# Altium PCB Tiny817_Xplained_Pro.PcbDoc (part 2 of 3)
Units mm, origin at the board's own origin, x right, y up, seen from the top; angles counter-clockwise.
Board outline 60 x 60 mm, 4 copper layers (Top Layer LF-signals, GND, POWER, Bottom Layer LF-signals), stack 1.604 mm thick; 172 components, 131 nets, 687 pads, 210 vias.
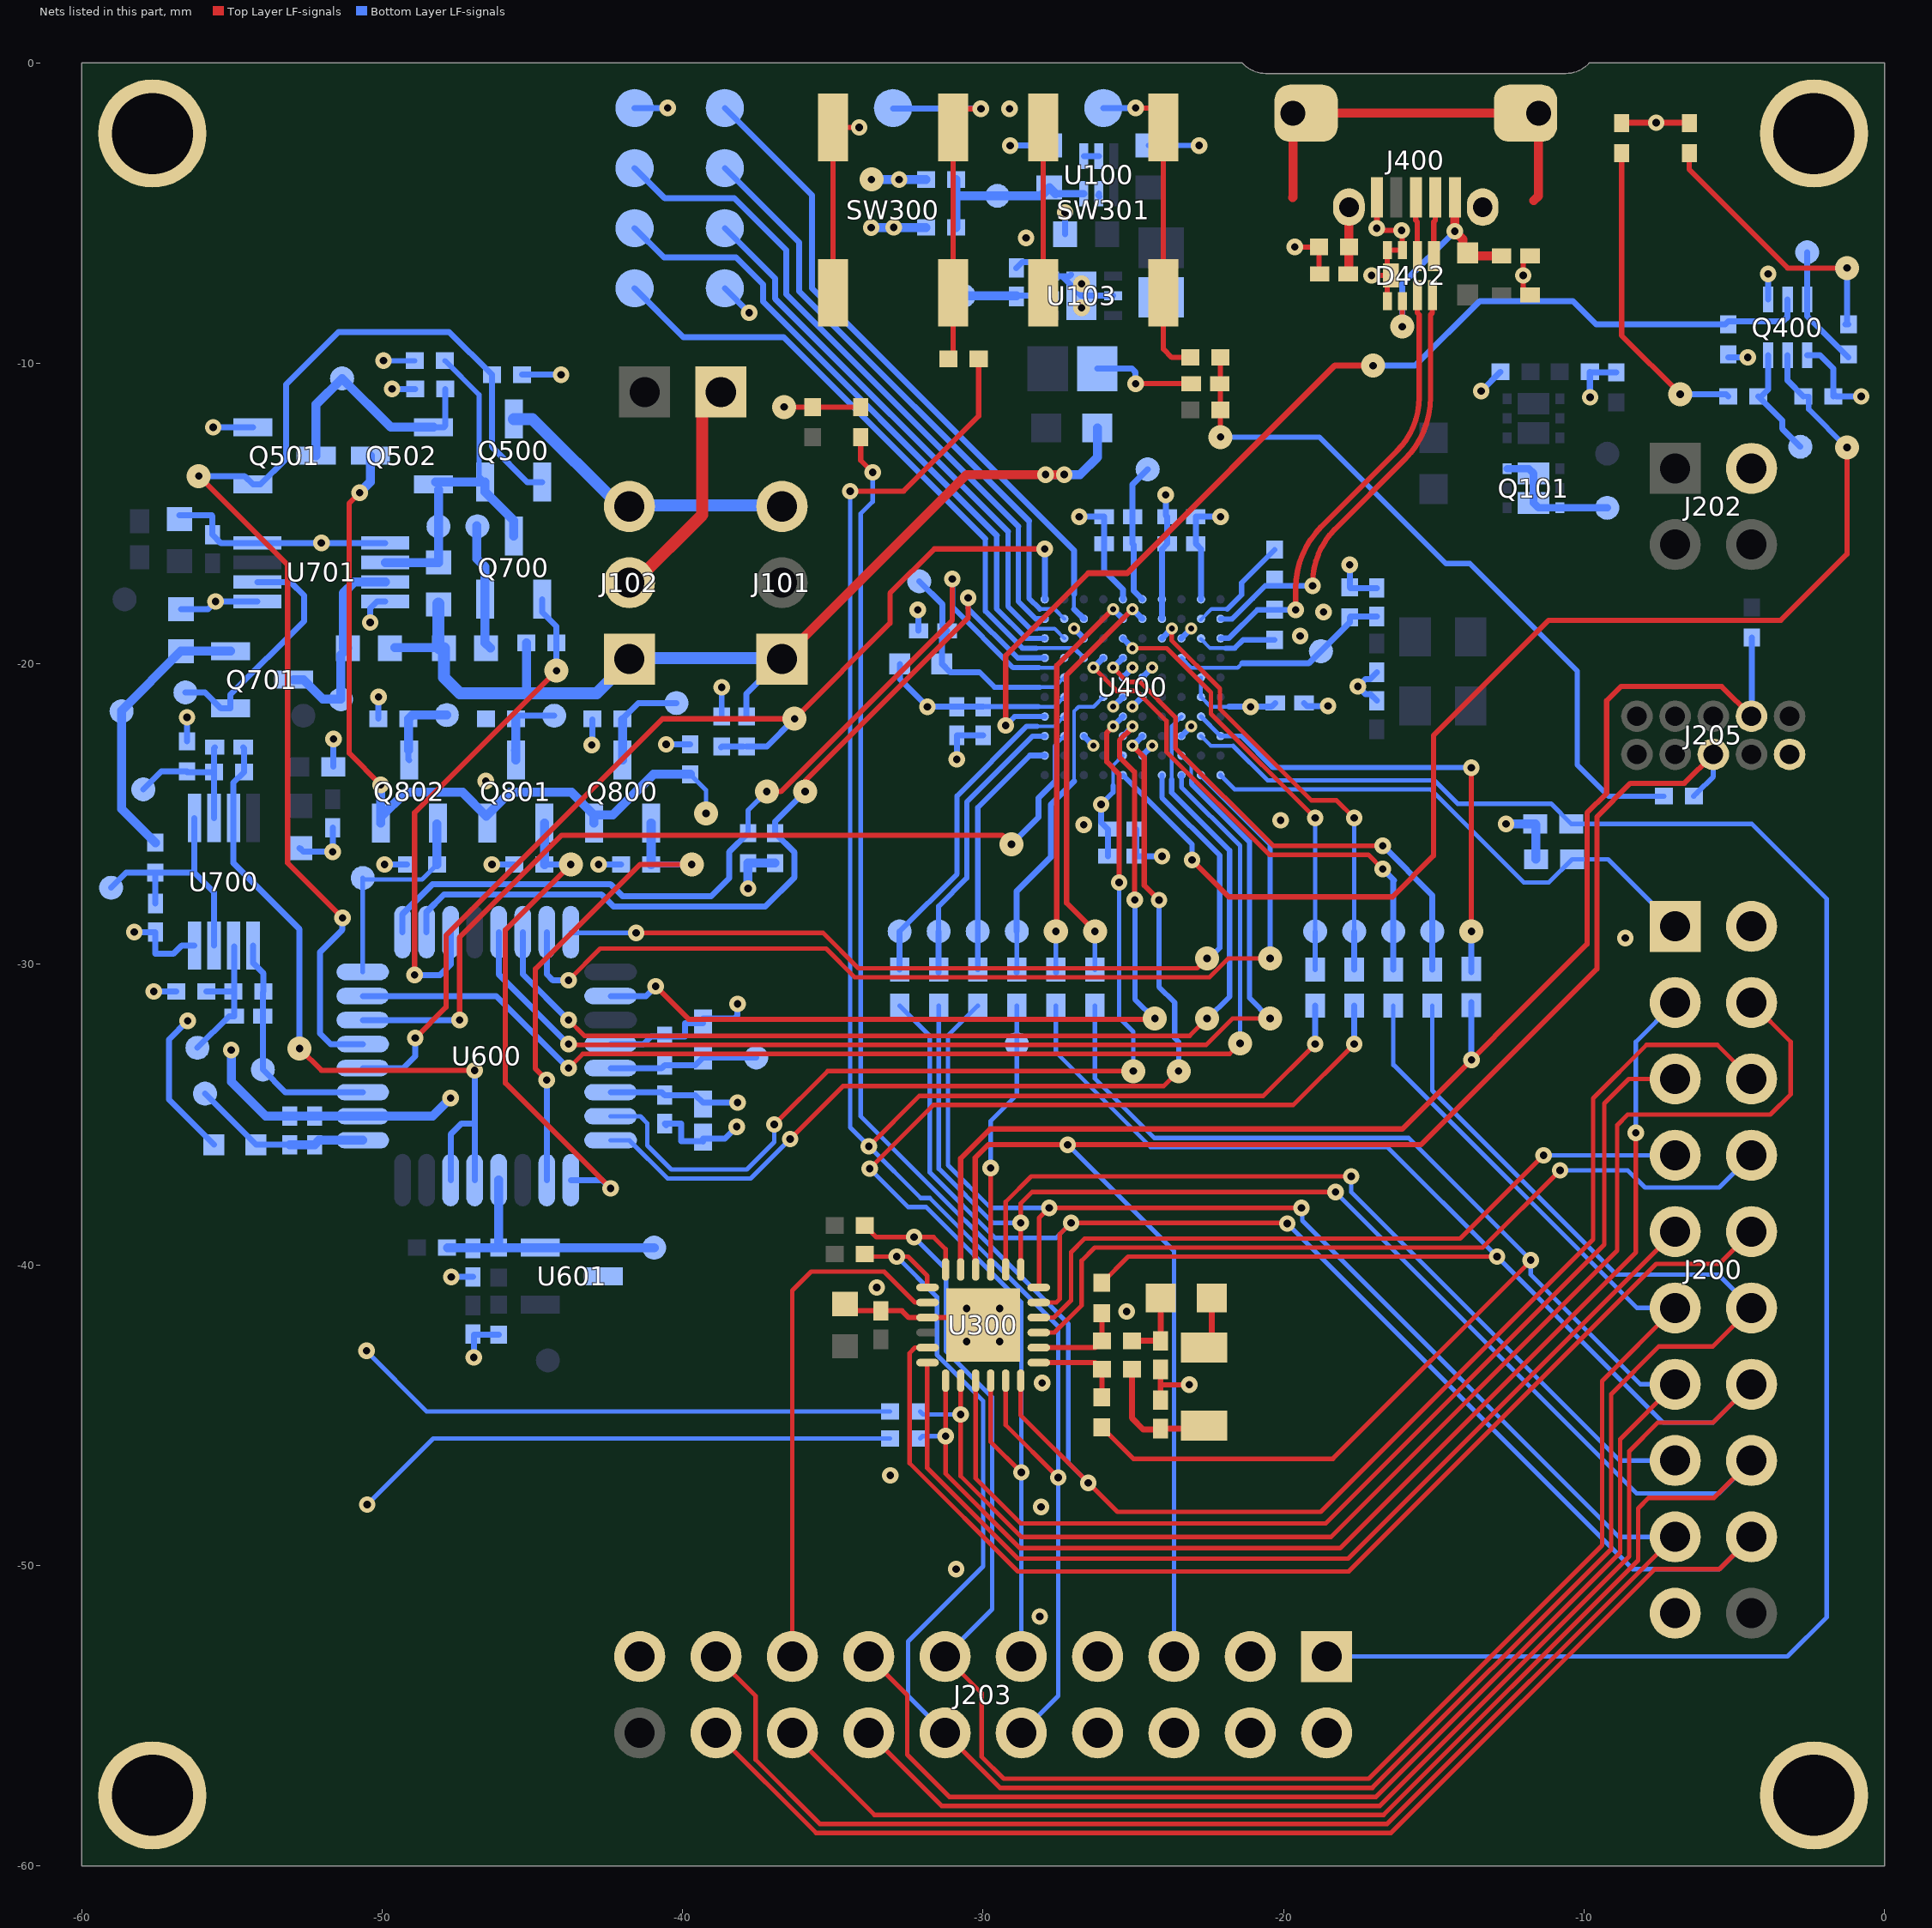
[diagram p4: the nets of this part, all layers, seen from the top]

## Via types
v1: diameter 0.55, hole 0.25, Top Layer LF-signals to Bottom Layer LF-signals, 127 vias
v2: diameter 0.55/0.8 (per signal layer), hole 0.25, Top Layer LF-signals to Bottom Layer LF-signals, tented top, 30 vias
v3: diameter 0.55, hole 0.25, Top Layer LF-signals to Bottom Layer LF-signals, tented both sides, 22 vias
v4: diameter 0.55, hole 0.25, Top Layer LF-signals to Bottom Layer LF-signals, tented top, 13 vias
v5: diameter 0.4, hole 0.2, Top Layer LF-signals to Bottom Layer LF-signals, tented both sides, 8 vias
v6: diameter 0.4, hole 0.2, Top Layer LF-signals to Bottom Layer LF-signals, tented top, 7 vias
v7: diameter 0.4, hole 0.2, Top Layer LF-signals to Bottom Layer LF-signals, 3 vias

## Nets (pads, with @x,y where several pads share a name; then routed paths per layer and width w, separated by ;. In a path a pad name is that pad's centre, name@x,y a point inside that pad or via, vN(x,y) a via of type N, cw(c..) or ccw(c..) an arc to the next point about the centre after c; other vN are vias at no path point)
CM_PA00_GPIO: Q801.1 R801.1 U600.1 | length 16.8
  Top Layer LF-signals w0.175: v2(-43.725,-26.675) -45.9,-28.85 -45.9,-33.95 v1(-42.399,-37.451)
  Bottom Layer LF-signals w0.2: R801.1@-44.6,-26.675 v2(-43.725,-26.675) ; U600.1@-43.724,-37.176 -42.674,-37.176 v1(-42.399,-37.451)
  Bottom Layer LF-signals w0.3: R801.1@-44.6,-26.675 Q801.1@-44.6,-25.3
CM_PA01_GPIO: Q800.1 R802.1 U600.2 | length 16.5
  Top Layer LF-signals w0.175: v1(-44.524,-33.85) -44.9,-33.474 -44.9,-30.15 -41.425,-26.675 v2(-39.7,-26.675)
  Bottom Layer LF-signals w0.2: U600.2@-44.524,-37.176 v1(-44.524,-33.85) ; R802.1@-41.05,-26.675 v2(-39.7,-26.675)
  Bottom Layer LF-signals w0.3: R802.1@-41.05,-26.675 Q800.1@-41.05,-25.3
CM_PA03_VREFA: C607.1 pad.3@-40.95,-39.425 R604.1 R605.2 U600.4 U601.2 | length 9.1
  Bottom Layer LF-signals w0.3: R604.1@-47.825,-39.425 R605.2@-46.125,-39.425 ; U600.4@-46.124,-37.176 R605.2@-46.125,-39.425 -46.123,-39.425 U601.2@-44.735,-39.425 pad.3@-40.95,-39.425
CM_PA05_AIN5: C706.2 R708.2 U600.5 U600.6 U700.7 | length 23.3
  Top Layer LF-signals w0.175: v2@-52.75,-32.8 -52.025,-33.525 v1@-46.924,-33.525
  Bottom Layer LF-signals w0.2: C706.2@-54.625,-22.775 -54.6,-22.8 R708.2@-54.6,-23.6 -54.95,-23.95 U700.7@-54.95,-25.125 -54.95,-26.625 -52.75,-28.825 v2(-52.75,-32.799) v2@-52.75,-32.8 ; U600.6@-47.724,-37.176 -47.724,-35.649 -47.365,-35.29 -46.924,-35.29 ; U600.5@-46.924,-37.176 -46.924,-35.29 ; v1(-46.924,-33.526) -46.924,-35.29
CM_PA08_AIN16: C702.2 pad.3@-53.975,-33.5 R703.2 U600.11 U700.1 | length 7.9
  Bottom Layer LF-signals w0.2: U700.1@-54.3,-29.375 -54.3,-29.95 -53.95,-30.3 R703.2@-53.95,-30.9 ; R703.2@-53.975,-30.925 C702.2@-53.975,-31.725 pad.3@-53.975,-33.5 -53.224,-34.251 U600.11@-50.649,-34.251
CM_PA09_AIN17: R109.1 R110.2 U400.K10 U600.12 | length 36.6
  Top Layer LF-signals w0.175: v1(-48.9,-32.45) -47.875,-31.425 -47.875,-29.03 -40.67,-21.825 v2(-36.275,-21.825) -33.1,-18.65 -33.1,-17.65 -31.625,-16.175 v1(-27.95,-16.175)
  Bottom Layer LF-signals w0.2: U600.12@-50.649,-33.451 -49.301,-33.451 -48.9,-33.05 v1(-48.9,-32.45) ; R110.2@-38.725,-22.775 R110.2@-38.7,-22.75 R109.1@-37.975,-22.75 ; R109.1@-37.875,-22.75 -37.2,-22.75 v2(-36.275,-21.825) ; U400.K10@-27.95,-17.85 v1(-27.95,-16.175)
CM_PA10_GPIO: Q500.1 Q501.1 R500.2 U600.13 | length 41
  Top Layer LF-signals w0.175: v2(-56.106,-13.748) -53.15,-16.704 -53.15,-26.625 v3(-51.325,-28.45)
  Bottom Layer LF-signals w0.2: v2(-56.106,-13.748) -54.577,-13.748 Q501.1@-54.3,-14.025 -54.05,-14.025 -53.2,-13.175 -53.2,-10.7 -51.452,-8.952 -47.773,-8.952 R500.2@-46.35,-10.375 -46.35,-12.775 -45.175,-13.95 Q500.1@-44.675,-13.95 ; v3(-51.325,-28.45) -51.325,-28.85 -52.068,-29.593 -52.068,-32.296 -51.712,-32.651 U600.13@-50.649,-32.651
CM_PA11_GCLK5: U400.J3 U600.14 | length 30.2
  Top Layer LF-signals w0.175: v1(-47.425,-31.851) -47.425,-29.099 -44.026,-25.7 -29.36,-25.7 v2(-29.06,-26)
  Bottom Layer LF-signals w0.125: -27.629,-23.929 -27.629,-22.729 U400.J3@-27.3,-22.4
  Bottom Layer LF-signals w0.2: U600.14@-50.649,-31.851 v1(-47.425,-31.851) ; v2(-29.06,-26) -28.161,-25.101 -28.161,-24.461 -27.629,-23.929
CM_PA14_GCLK0: U400.C1 U600.15 | length 40.3
  Top Layer LF-signals w0.15: v1(-43.8,-33.45) -43.325,-32.975 -21.8,-32.975 v2(-21.45,-32.625)
  Bottom Layer LF-signals w0.15: U400.C1@-23.4,-23.7 -23.4,-24.1 -21.45,-26.05 v2(-21.45,-32.625)
  Bottom Layer LF-signals w0.2: U600.15@-50.649,-31.051 -46.199,-31.051 v1(-43.8,-33.45) ; U400.C1@-23.4,-23.74 -23.39,-23.731 -23.39,-23.71 U400.C1@-23.4,-23.7
CM_PA15_GPIO: pad.3@-50.649,-27.124 Q802.1 R800.1 U600.16 | length 7.2
  Bottom Layer LF-signals w0.15: U600.16@-50.649,-30.251 pad.3@-50.649,-27.124 -50.598,-27.175 -48.675,-27.175 R800.1@-48.175,-26.675
  Bottom Layer LF-signals w0.3: R800.1@-48.175,-26.675 Q802.1@-48.175,-25.325
CM_PA16_SERCOM1_SDA: R603.1 U400.J7 U600.17 | length 31.2
  Top Layer LF-signals w0.175: v2(-37.2,-24.25) -36.735,-24.25 -31.025,-18.54 v3(-31.025,-17.175)
  Bottom Layer LF-signals w0.125: -28.15,-20.125 -27.625,-20.125 U400.J7@-27.3,-19.8
  Bottom Layer LF-signals w0.175: R603.1@-37.825,-25.628 -37.825,-24.875 v2(-37.2,-24.25) ; v3(-31.025,-17.175) -31.013,-17.187 -31.013,-18.117 -29.005,-20.125 -28.15,-20.125
  Bottom Layer LF-signals w0.2: U600.17@-49.324,-28.926 -49.324,-28.324 -48.325,-27.325 -42.4,-27.325 -42,-27.725 -39.05,-27.725 -38.45,-27.125 -38.45,-26.253 R603.1@-37.825,-25.628
CM_PA17_SERCOM1_SCL: R602.1 U400.K7 U600.18 | length 29.5
  Top Layer LF-signals w0.175: v2(-35.925,-24.25) -35.925,-23.9 -30.5,-18.475 v1(-30.5,-17.8)
  Bottom Layer LF-signals w0.175: v1(-30.5,-17.8) -30.5,-18.152 -28.852,-19.8 U400.K7@-27.95,-19.8
  Bottom Layer LF-signals w0.2: U600.18@-48.524,-28.926 -48.524,-28.25 -47.949,-27.675 -42.7,-27.675 -42.3,-28.075 -37.25,-28.075 -36.275,-27.1 -36.275,-26.278 R602.1@-36.925,-25.628 -36.925,-25.25 v2(-35.925,-24.25)
CM_PA18_CMP0: Q700.1 R701.2 U600.19 | length 17.1
  Top Layer LF-signals w0.175: v1(-48.925,-30.35) -48.925,-24.95 v2(-44.2,-20.225)
  Bottom Layer LF-signals w0.2: v1(-48.925,-30.35) -48.074,-30.35 -47.724,-30 U600.19@-47.724,-28.926 ; Q700.1@-44.675,-17.85 -44.675,-18.275 -44.2,-18.75 R701.2@-44.2,-19.3 v2(-44.2,-20.225)
CM_PA22_SERCOM3_PAD0_SPI_MOSI: U400.C2 U600.21 | length 38.4
  Top Layer LF-signals w0.15: v1(-43.8,-32.65) -43.775,-32.675 -22.575,-32.675 -21.7,-31.8 v2(-20.45,-31.8) v2@-20.425,-31.8
  Bottom Layer LF-signals w0.125: U400.C2@-23.4,-23.05 -23.075,-23.375 -23.075,-23.857
  Bottom Layer LF-signals w0.175: -23.065,-23.857 -23.065,-23.993 -21.138,-25.921 -21.138,-31.113 v2(-20.45,-31.8)
  Bottom Layer LF-signals w0.2: U600.21@-46.124,-28.926 -46.124,-30.326 v1(-43.8,-32.65)
CM_PA23_SERCOM3_PAD1_SPI_SCK: U400.C4 U600.22 | length 36.6
  Top Layer LF-signals w0.15: v1(-43.8,-31.85) -43.275,-32.375 -23.125,-32.375 v2(-22.55,-31.8)
  Bottom Layer LF-signals w0.125: -23.722,-23.865 -23.722,-22.072 U400.C4@-23.4,-21.75
  Bottom Layer LF-signals w0.175: -23.725,-23.847 -23.725,-24.282 -21.8,-26.207 -21.8,-31.075 v2@-22.55,-31.825
  Bottom Layer LF-signals w0.2: U600.22@-45.324,-28.926 -45.324,-30.326 v1(-43.8,-31.85)
CM_PA24_SERCOM3_PAD2_SPI_MISO: U400.B1 U600.23 | length 33.7
  Top Layer LF-signals w0.15: v1(-43.8,-30.525) -42.75,-29.475 -35.225,-29.475 -34.275,-30.425 -22.468,-30.425 -21.843,-29.8 v2(-20.45,-29.8) v2@-20.425,-29.8
  Bottom Layer LF-signals w0.175: U400.B1@-22.75,-23.7 -20.45,-26 v2(-20.45,-29.8)
  Bottom Layer LF-signals w0.2: U600.23@-44.524,-28.926 -44.524,-30.326 -44.325,-30.525 v1(-43.8,-30.525)
CM_PA25_SPI_SS: U400.D1 U600.24 | length 29
  Top Layer LF-signals w0.15: v1(-41.55,-28.95) -35.326,-28.95 -34.151,-30.125 -22.875,-30.125 v2(-22.55,-29.8)
  Bottom Layer LF-signals w0.15: U600.24@-43.724,-28.926 -43.7,-28.95 v1(-41.55,-28.95)
  Bottom Layer LF-signals w0.175: U400.D1@-24.05,-23.7 -24.05,-24.447 -22.125,-26.372 -22.125,-29.45 v2@-22.55,-29.875
CM_PA30_SWCLK: U400.F4 U600.31 | length 32.7
  Top Layer LF-signals w0.15: v1(-36.951,-35.325) -35.176,-33.55 v2(-25,-33.55)
  Top Layer LF-signals w0.175: v7(-25.675,-22.075) -25.887,-22.287 -25.887,-23.258 -25.475,-23.67 v1(-25.475,-27.275)
  Bottom Layer LF-signals w0.15: U600.31@-42.399,-35.051 -41.411,-35.051 -41.175,-35.287 -41.175,-36.025 -40.375,-36.825 -37.866,-36.825 -36.951,-35.909 v1(-36.951,-35.325) ; v1(-25.475,-27.275) -25.475,-31.769 -25,-32.244 v2(-25,-33.55)
  Bottom Layer LF-signals w0.2: v7(-25.675,-22.075) U400.F4@-25.35,-21.75
CM_PA31_SWDIO: U400.E3 U600.32 | length 32.8
  Top Layer LF-signals w0.15: v1(-36.425,-35.808) -34.667,-34.05 -23.995,-34.05 v2(-23.495,-33.55)
  Top Layer LF-signals w0.175: v7(-25.025,-22.725) -24.637,-23.112 -24.637,-27.369 v1(-24.15,-27.856)
  Bottom Layer LF-signals w0.15: U600.32@-42.399,-35.851 -41.774,-35.851 -40.5,-37.125 -37.742,-37.125 v1(-36.425,-35.808)
  Bottom Layer LF-signals w0.175: v1(-24.15,-27.856) -24.15,-30.745 -23.625,-31.27 -23.625,-32.45 -23.495,-32.58 v2(-23.495,-33.55)
  Bottom Layer LF-signals w0.2: v7(-25.025,-22.725) U400.E3@-24.7,-22.4
CM_RESET_N: U400.F3 U600.26 | length 29.6
  Top Layer LF-signals w0.175: v1(-40.9,-30.725) -39.8,-31.825 v2@-24.284,-31.825 ; v7(-25.025,-22.075) -25.025,-22.106 -25.462,-22.544 -25.462,-23.095 -24.963,-23.595 -24.963,-27.84 v1(-24.951,-27.851)
  Bottom Layer LF-signals w0.175: v1(-24.951,-27.851) -24.951,-31.158 v2@-24.284,-31.825
  Bottom Layer LF-signals w0.2: U600.26@-42.399,-31.051 -41.226,-31.051 v1(-40.9,-30.725) ; U400.F3@-25.35,-22.4 v7(-25.025,-22.075)
  other v2: -24.284,-31.8
DGI_GPIO0: pad.3@-18.95,-28.9 R416.2 U400.F8 | length 14.3
  Top Layer LF-signals w0.15: v5(-25.025,-19.475) -23.892,-19.475 -22.417,-20.95 -22.417,-21.659 v3(-18.95,-25.126)
  Bottom Layer LF-signals w0.15: pad.3@-18.95,-28.9 v3(-18.95,-25.126)
  Bottom Layer LF-signals w0.175: R416.2@-18.95,-30.175 pad.3@-18.95,-28.9
  Bottom Layer LF-signals w0.2: U400.F8@-25.35,-19.15 v5(-25.025,-19.475)
DGI_GPIO1: pad.3@-17.65,-28.9 R417.2 U400.D8 | length 14.8
  Top Layer LF-signals w0.15: v5(-23.725,-18.825) -23.725,-19.218 -22.117,-20.825 -22.117,-21.497 -19.072,-24.542 -18.234,-24.542 v3(-17.65,-25.126)
  Bottom Layer LF-signals w0.15: pad.3@-17.65,-28.9 v3(-17.65,-25.126)
  Bottom Layer LF-signals w0.2: U400.D8@-24.05,-19.15 v5(-23.725,-18.825) ; R417.2@-17.65,-30.175 pad.3@-17.65,-28.9
EDBG_CDC_USART_RX: R406.1 U400.F9 | length 13.3
  Top Layer LF-signals w0.175: v2@-27.55,-28.9 -27.55,-20.05 v6(-25.675,-18.175)
  Bottom Layer LF-signals w0.15: R406.1@-27.58,-30.175 v2(-27.58,-28.9)
  Bottom Layer LF-signals w0.2: R406.1@-27.58,-30.275 R406.1@-27.58,-30.175 ; v6(-25.675,-18.175) U400.F9@-25.35,-18.5
EDBG_CDC_USART_TX: R414.2 U400.E9 | length 13.8
  Top Layer LF-signals w0.175: v2(-26.28,-28.9) -27.225,-27.955 -27.225,-20.375 v6(-25.025,-18.175)
  Bottom Layer LF-signals w0.15: R414.2@-26.28,-30.175 v2(-26.28,-28.9)
  Bottom Layer LF-signals w0.2: v6(-25.025,-18.175) U400.E9@-24.7,-18.5
EDBG_DGI_SCL: pad.3@-15.05,-28.9 R408.1 U400.F7 | length 17.3
  Top Layer LF-signals w0.15: v5(-25.675,-20.125) -25.2,-20.6 -24.775,-20.6 -23.6,-21.775 -23.6,-22.801 -20.35,-26.05 v1@-16.7,-26.05
  Bottom Layer LF-signals w0.2: v5(-25.675,-20.125) U400.F7@-25.35,-19.8 ; v1(-16.7,-26.05) -15.05,-27.7 pad.3@-15.05,-28.9 R408.1@-15.05,-30.175
EDBG_DGI_SDA: pad.3@-16.35,-28.9 R407.1 U400.G7 | length 17
  Top Layer LF-signals w0.15: v5(-26.325,-20.125) -25.55,-20.9 -24.9,-20.9 -23.9,-21.9 -23.9,-22.925 -20.475,-26.35 -17.177,-26.35 v1(-16.701,-26.826)
  Bottom Layer LF-signals w0.2: v5(-26.325,-20.125) U400.G7@-26,-19.8 ; v1(-16.701,-26.826) -16.325,-27.202 ; R407.1@-16.35,-30.175 pad.3@-16.35,-28.9 -16.35,-27.202
EDBG_FORCE_BOOT: TP401.1 U400.H9 | length 22
  Bottom Layer LF-signals w0.125: -26.976,-18.174 -26.976,-17.684
  Bottom Layer LF-signals w0.2: TP401.1@-38.6,-1.5 -35.7,-4.4 -35.7,-7.5 -26.976,-16.224 -26.976,-17.684 -26.975,-17.685 ; -26.976,-18.174 U400.H9@-26.65,-18.5
EDBG_JTAG_TCK: TP402.1 U400.K9 | length 22.2
  Bottom Layer LF-signals w0.175: -28.825,-15.425 -28.825,-17.925 -28.25,-18.5 U400.K9@-27.95,-18.5
  Bottom Layer LF-signals w0.2: TP402.1@-41.6,-3.5 -40.6,-4.5 -38.275,-4.5 -36.55,-6.225 -36.55,-7.7 -28.825,-15.425
EDBG_JTAG_TDI: TP403.1 U400.K8 | length 21.1
  Bottom Layer LF-signals w0.175: -29.55,-15.72 -29.55,-18.165 -28.565,-19.15 U400.K8@-27.95,-19.15
  Bottom Layer LF-signals w0.2: TP403.1@-41.6,-5.5 -40.625,-6.475 -38.225,-6.475 -37.325,-7.375 -37.325,-7.945 -29.55,-15.72
EDBG_JTAG_TDO: TP404.1 U400.J8 | length 18.8
  Bottom Layer LF-signals w0.125: -28.2,-18.825 -27.625,-18.825 U400.J8@-27.3,-19.15
  Bottom Layer LF-signals w0.175: -29.175,-15.6 -29.175,-18.081 -28.431,-18.825 -28.2,-18.825
  Bottom Layer LF-signals w0.2: TP404.1@-38.6,-5.5 -36.925,-7.175 -36.925,-7.85 -29.175,-15.6
EDBG_JTAG_TMS: TP405.1 U400.H7 | length 21.5
  Bottom Layer LF-signals w0.125: -28.225,-19.475 -26.975,-19.475
  Bottom Layer LF-signals w0.15: -26.975,-19.475 U400.H7@-26.65,-19.8
  Bottom Layer LF-signals w0.175: -29.925,-15.84 -29.925,-18.25 -28.7,-19.475 -28.225,-19.475
  Bottom Layer LF-signals w0.2: TP405.1@-41.6,-7.5 -39.975,-9.125 -36.64,-9.125 -29.925,-15.84
EDBG_RESET_N: TP406.1 U400.J9 | length 20
  Bottom Layer LF-signals w0.125: -28.115,-18.175 -27.625,-18.175 U400.J9@-27.3,-18.5
  Bottom Layer LF-signals w0.175: -28.475,-15.25 -28.475,-17.815 -28.115,-18.175
  Bottom Layer LF-signals w0.2: TP406.1@-38.6,-3.5 -36.125,-5.975 -36.125,-7.595 -28.475,-15.245 -28.475,-15.25
EDBG_SPI_DGI_MISO: pad.3@-30.18,-28.9 R420.1 U400.K2 | length 8.3
  Bottom Layer LF-signals w0.175: R420.1@-30.18,-30.175 pad.3@-30.18,-28.9 -30.18,-24.78 -28.45,-23.05
  Bottom Layer LF-signals w0.2: -28.45,-23.05 U400.K2@-27.95,-23.05
EDBG_SPI_DGI_MOSI: pad.3@-31.48,-28.9 R415.2 U400.K3 | length 9.6
  Bottom Layer LF-signals w0.175: pad.3@-31.48,-28.9 -31.48,-28.059 -30.545,-27.125 -30.545,-24.595 -28.35,-22.4 U400.K3@-27.95,-22.4
  Bottom Layer LF-signals w0.2: R415.2@-31.48,-30.275 pad.3@-31.48,-28.9
EDBG_SPI_DGI_SCK: pad.3@-32.78,-28.9 R425.2 U400.J4 | length 11.2
  Bottom Layer LF-signals w0.125: -28.2,-22.075 -27.625,-22.075 U400.J4@-27.3,-21.75
  Bottom Layer LF-signals w0.175: pad.3@-32.78,-28.9 -30.87,-26.99 -30.87,-24.395 -28.55,-22.075 -28.2,-22.075
  Bottom Layer LF-signals w0.2: R425.2@-32.78,-30.175 pad.3@-32.78,-28.9
EDBG_SPI_DGI_SS: pad.3@-28.88,-28.9 R426.2 U400.G5 | length 10.7
  Bottom Layer LF-signals w0.125: -26.975,-23.9 -26.975,-21.575 -26.825,-21.425 -26.325,-21.425 U400.G5@-26,-21.1
  Bottom Layer LF-signals w0.15: R426.2@-28.88,-30.175 pad.3@-28.88,-28.9
  Bottom Layer LF-signals w0.2: R426.2@-28.88,-30.275 R426.2@-28.88,-30.175 ; pad.3@-28.88,-28.9 -28.88,-27.555 -27.75,-26.425 -27.75,-24.675 -26.975,-23.9
EDBG_UPDI: R404.2 U400.A3 U400.B4 | length 16.5
  Top Layer LF-signals w0.175: v1@-13.801,-23.451 v1@-13.776,-23.476 ; v2@-13.775,-28.9 -13.751,-28.876 v1(-13.751,-23.451)
  Bottom Layer LF-signals w0.15: U400.B4@-22.75,-21.75 U400.A3@-22.1,-22.4 -21.403,-22.4
  Bottom Layer LF-signals w0.175: -21.403,-22.4 -20.352,-23.451 v1(-13.751,-23.451)
  Bottom Layer LF-signals w0.2: R404.2@-13.75,-30.25 v2(-13.75,-28.9)
EDBG_USB_FS_N: R421.2 U400.B9 | length 3.6
  Bottom Layer LF-signals w0.125: U400.B9@-22.751,-18.524 -22.402,-18.175 -21.875,-18.175
  Bottom Layer LF-signals w0.18: -21.875,-18.175 -21.4,-17.7 -21.4,-17.3 R421.2@-20.3,-16.2
EDBG_USB_FS_P: R422.2 U400.B8 | length 2.7
  Bottom Layer LF-signals w0.125: U400.B8@-22.751,-19.174 -22.448,-19.476 -21.93,-19.476
  Bottom Layer LF-signals w0.18: -21.93,-19.476 -21.626,-19.476 -21.35,-19.2 R422.2@-20.3,-19.2
EDBG_USB_HS_N: D402.8 R421.1 U400.A9 | length 14.6
  Top Layer LF-signals w0.18: v4(-19.035,-17.4) -19.035,-17.312 cw(c-16.495,-17.312) -18.291,-15.516 -15.965,-13.19 ccw(c-18.03,-11.125) -15.11,-11.125 -15.11,-8.375 -15.05,-8.315 D402.8@-15.05,-7.725
  Bottom Layer LF-signals w0.18: U400.A9@-22.1,-18.5 -22.017,-18.5 -22.012,-18.505 -21.738,-18.505 -21.733,-18.5 -21.712,-18.5 -21.032,-17.82 -21.03,-17.82 -20.61,-17.4 v4(-19.035,-17.4)
EDBG_USB_HS_P: D402.7 R422.1 U400.A8 | length 14.9
  Top Layer LF-signals w0.18: v4(-19.6,-18.2) -19.6,-17.497 cw(c-16.68,-17.497) -18.746,-15.434 cw(c-16.68,-17.497) -18.745,-15.432 -16.234,-12.922 ccw(c-18.03,-11.125) -15.49,-11.125 -15.49,-8.375 -15.55,-8.315 D402.7@-15.55,-7.725
  Bottom Layer LF-signals w0.18: U400.A8@-22.1,-19.15 -22.073,-19.15 -22.068,-19.145 -21.82,-19.145 -20.875,-18.2 R422.1@-20.3,-18.2 v4(-19.6,-18.2)
GND: C100.2 C101.2 C104.2 C105.2 C106.1 C107.2 C301.2 C302.2 C303.2 C304.1 C305.1 C400.2 C401.2 C402.2 C403.1 C404.2 C405.2 C406.2 C407.2 C408.2 C409.2 C410.2 C411.2 C412.2 C413.2 C414.2 C415.2 C600.2 C601.2 C602.2 C603.2 C604.2 C605.2 C606.2 C607.2 C700.2 C701.2 C703.2 C704.2 C705.1 D402.3 D402.4 D402.5 D402.9 J200.2@-4.43,-28.73 J200.19@-6.97,-51.59 J202.2@-4.43,-13.49 J203.2@-18.57,-55.57 J203.19@-41.43,-53.03 J205.2 J400.5 pad.666 Q400.1 Q400.4 Q501.2 R100.1 R101.1 R102.1 R110.1 R413.1 R423.1 R424.1 R500.1 R502.1 R606.1 R705.1 R707.1 R709.1 R803.1 R804.1 R805.1 R806.1 SW300.1 SW300.2 SW301.1 SW301.2 TP400.1 U100.2 U100.4 U100.5 U103.3 U103.5 U103.7 U300.3 U300.25 U400.B10 U400.C3 U400.C8 U400.E2 U400.E6 U400.F5 U400.F10 U400.H3 U400.H8 U600.10 U600.28 U601.3 U700.4 U701.1 U701.4 U701.5 U701.8 | length 110.1
  Top Layer LF-signals w0.175: SW300.1@-35,-7.65 SW300.2@-35,-2.15 v4(-34.125,-2.15) ; C305.1@-34.6,-41.3 -34.375,-41.525 C304.1@-33.4,-41.525 -32.7,-41.525 -32.475,-41.75 U300.25@-30.25,-41.75 ; SW301.1@-28,-7.65 SW301.2@-28,-2.15 ; v1(-27.276,-4.975) v1@-27.276,-4.951 ; v1(-24.925,-10.675) C303.2@-23.075,-10.675 ; C301.2@-24.095,-44.497 -24.095,-43.986 ; C302.2@-24.095,-43.475 -24.095,-43.986 ; v1(-23.141,-43.986) -24.095,-43.986 ; v1(-19.625,-6.125) R424.1@-18.825,-6.125 C403.1@-18.825,-7 ; v1(-17.076,-7.075) D402.9@-16.43,-7.075 -16.55,-7.195 D402.5@-16.55,-7.925 ; v1(-16.9,-5.5) -16.825,-5.575 v1(-16.076,-5.575) -16.05,-5.601 D402.3@-16.05,-6.225 D402.4@-16.55,-6.225 D402.9@-16.55,-6.955 ; C408.2@-11.8,-7.725 -12.025,-7.5 v3(-12.025,-7.075) -12.025,-6.65 C407.2@-11.8,-6.425 ; v1@-9.8,-11.15 v1(-9.8,-11.126)
  Top Layer LF-signals w0.2: v1(-16.9,-5.5) J400.5@-16.9,-4.475
  Bottom Layer LF-signals w0.175: v1(-49.961,-9.908) R502.1@-48.912,-9.908 ; R110.1@-38.7,-21.75 v1(-38.7,-20.775) ; C101.2@-24.5,-2.75 v1(-22.814,-2.75) ; v1(-16.076,-5.575) v1@-16.054,-5.575
  Bottom Layer LF-signals w0.2: v1(-58.25,-28.925) C705.1@-57.55,-28.925 -57.55,-29.65 -56.95,-29.65 -56.675,-29.375 U700.4@-56.25,-29.375 ; v1(-57.6,-30.9) R705.1@-56.85,-30.9 ; C703.2@-56.75,-15.052 -55.673,-15.052 -55.65,-15.075 C704.2@-55.65,-15.7 -55.375,-15.975 U701.8@-54.15,-15.975 v1(-52.025,-15.975) U701.1@-49.9,-15.975 ; R707.1@-56.7,-18.175 -55.8,-18.175 v1(-55.55,-17.925) U701.5@-54.15,-17.925 ; R709.1@-56.5,-22.575 v1(-56.5,-21.775) ; v1(-55.625,-12.125) Q501.2@-54.3,-12.125 ; C701.2@-52.75,-26.125 -52.625,-26.25 v1(-51.65,-26.25) C700.2@-51.65,-25.45 ; v1(-50.4,-18.625) -50.4,-18.15 -50.175,-17.925 U701.4@-49.9,-17.925 ; R805.1@-50.125,-21.825 v3(-50.125,-21.1) ; v1(-47.7,-40.4) C607.2@-46.975,-40.4 ; v1(-46.95,-43.075) -46.95,-42.325 R606.1@-46.125,-42.325 ; R500.1@-45.35,-10.375 v1(-44.05,-10.375) ; v3(-43.024,-22.7) -43,-22.676 R803.1@-43,-21.85 ; U600.28@-42.399,-32.651 -41.301,-32.651 -41.05,-32.4 C602.2@-40.6,-32.4 -39.925,-32.4 -39.925,-31.95 C603.2@-39.325,-31.95 ; TP400.1@-41.6,-1.5 v4(-40.5,-1.5) ; C600.2@-40.55,-35.35 C600.2@-40.6,-35.3 -40.05,-35.3 -40.05,-35.875 -39.35,-35.875 C601.2@-39.325,-35.9 ; v1(-40.55,-22.675) R806.1@-39.75,-22.675 ; C601.2@-39.325,-35.8 -38.6,-35.8 v1(-38.2,-35.4) ; C603.2@-39.325,-31.8 -38.275,-31.8 -38.175,-31.7 v1(-38.175,-31.313) ; v3(-32.177,-18.201) -32.15,-18.227 C404.2@-32.15,-18.9 ; v3(-30.875,-23.175) C414.2@-30.875,-22.375 C413.2@-30,-22.375 ; v1(-29.101,-2.752) C100.2@-27.8,-2.752 ; C106.1@-28.9,-6.825 -28.7,-6.625 -27.775,-6.625 U103.3@-27.775,-7.1 -27.375,-7.1 ; v1(-27.276,-4.975) -27.273,-4.978 C104.2@-27.273,-5.7 ; U103.7@-27.075,-7.05 -27.125,-7.1 -27.375,-7.1 ; v6(-26.975,-18.825) U400.H8@-26.65,-19.15 ; v3(-26.8,-15.1) C405.2@-25.975,-15.1 C406.2@-25.975,-16 -25.975,-16.9 -25.35,-17.525 U400.F10@-25.35,-17.85 ; U400.H3@-26.65,-22.4 v5(-26.325,-22.725) ; U100.4@-26.65,-3.1 U100.5@-26.15,-3.1 ; C107.2@-26.2,-10.175 -25.05,-10.175 -24.925,-10.3 v1(-24.925,-10.675) ; U100.2@-26.175,-4.4 U100.2@-26.125,-4.45 ; U100.2@-26.15,-4.4 U100.2@-26.15,-4.35 ; v6(-25.675,-21.425) U400.F5@-25.35,-21.1 ; U103.5@-25.675,-7.75 U103.7@-26.725,-7.75 -27.375,-7.1 ; C412.2@-24.9,-25.5 C415.2@-24.9,-26.4 v1(-24.05,-26.4) ; U400.E2@-24.7,-23.05 v6(-24.375,-22.725) ; U400.E6@-24.7,-20.45 v6(-24.375,-20.125) ; U400.C3@-23.4,-22.4 v5(-23.075,-22.075) ; U400.C8@-23.4,-19.15 v6(-23.075,-18.825) ; U400.B10@-22.75,-17.85 -22.75,-16.175 C410.2@-22.925,-16 C409.2@-22.925,-15.1 v3(-22.1,-15.1) ; C411.2@-19.325,-21.3 -19.225,-21.4 v4(-18.525,-21.4) ; R423.1@-17.8,-17.45 -17.775,-17.475 C402.2@-16.9,-17.475 ; R423.1@-17.8,-17.425 v4(-17.8,-16.7) ; C400.2@-16.9,-21.225 -17.125,-21 -17.28,-21 v1(-17.53,-20.75) -17.283,-20.503 -17.128,-20.503 C401.2@-16.9,-20.275 ; v1(-13.425,-10.923) R102.1@-12.781,-10.279 ; R100.1@-9.806,-10.279 -9.806,-11.12 v1(-9.8,-11.126) ; R100.1@-9.8,-10.285 -9.785,-10.3 R101.1@-8.925,-10.3 ; Q400.1@-3.875,-7.875 v4(-3.875,-7.025) ; Q400.4@-2.575,-9.725 -2.15,-9.725 -1.7,-10.175 R413.1@-1.7,-11.1 ; R413.1@-1.65,-11.05 -1.6,-11.1 v4(-0.775,-11.1)